# Altium PCB walktimizer_v2.PcbDoc
Units mil, origin at the board's own origin, x right, y up, seen from the top; angles counter-clockwise.
Board outline 2594 x 1316 mil, 4 copper layers (Top Layer, GND, VREG, Bottom Layer), stack 62.45 mil thick; 51 components, 38 nets, 217 pads, 79 vias.
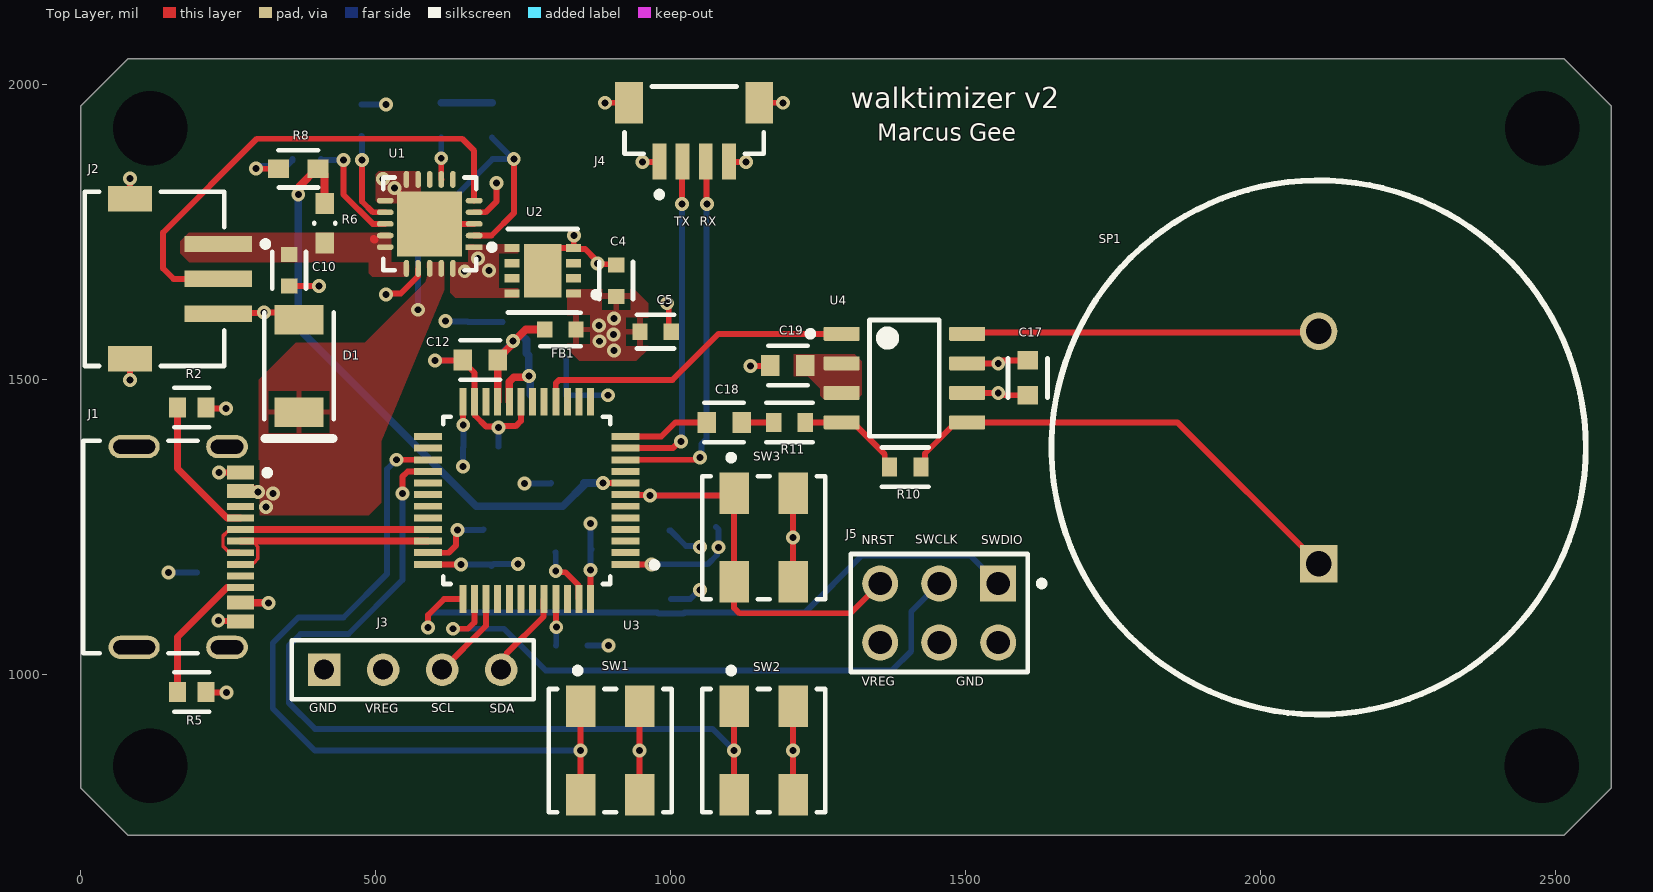
[diagram p0: Top Layer view]
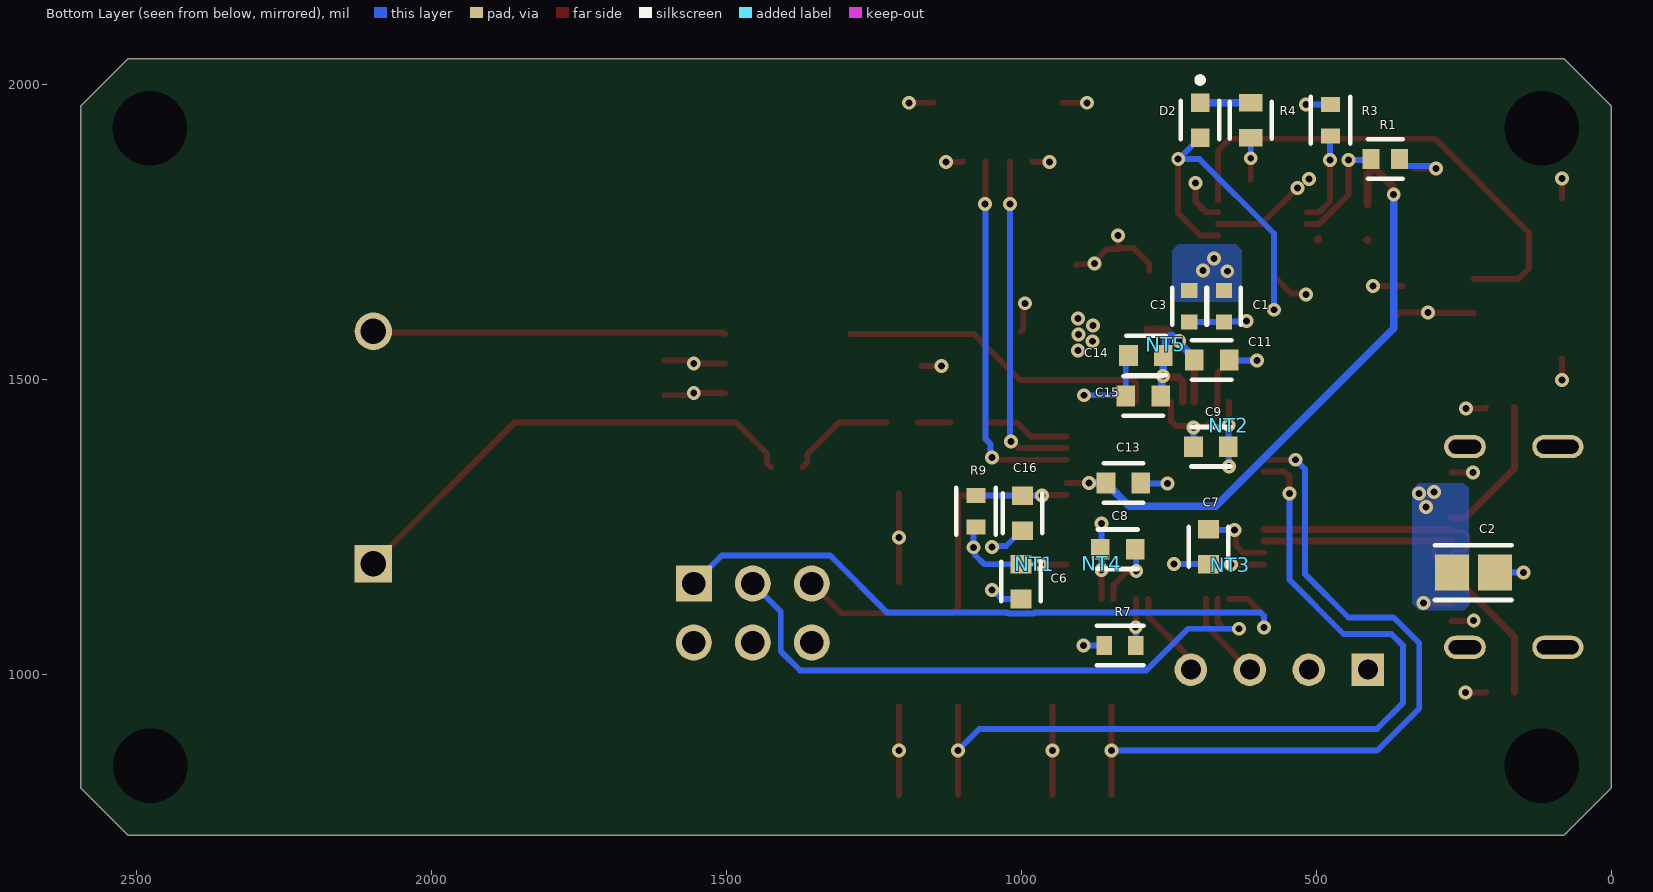
[diagram p1: Bottom Layer view, seen from below]
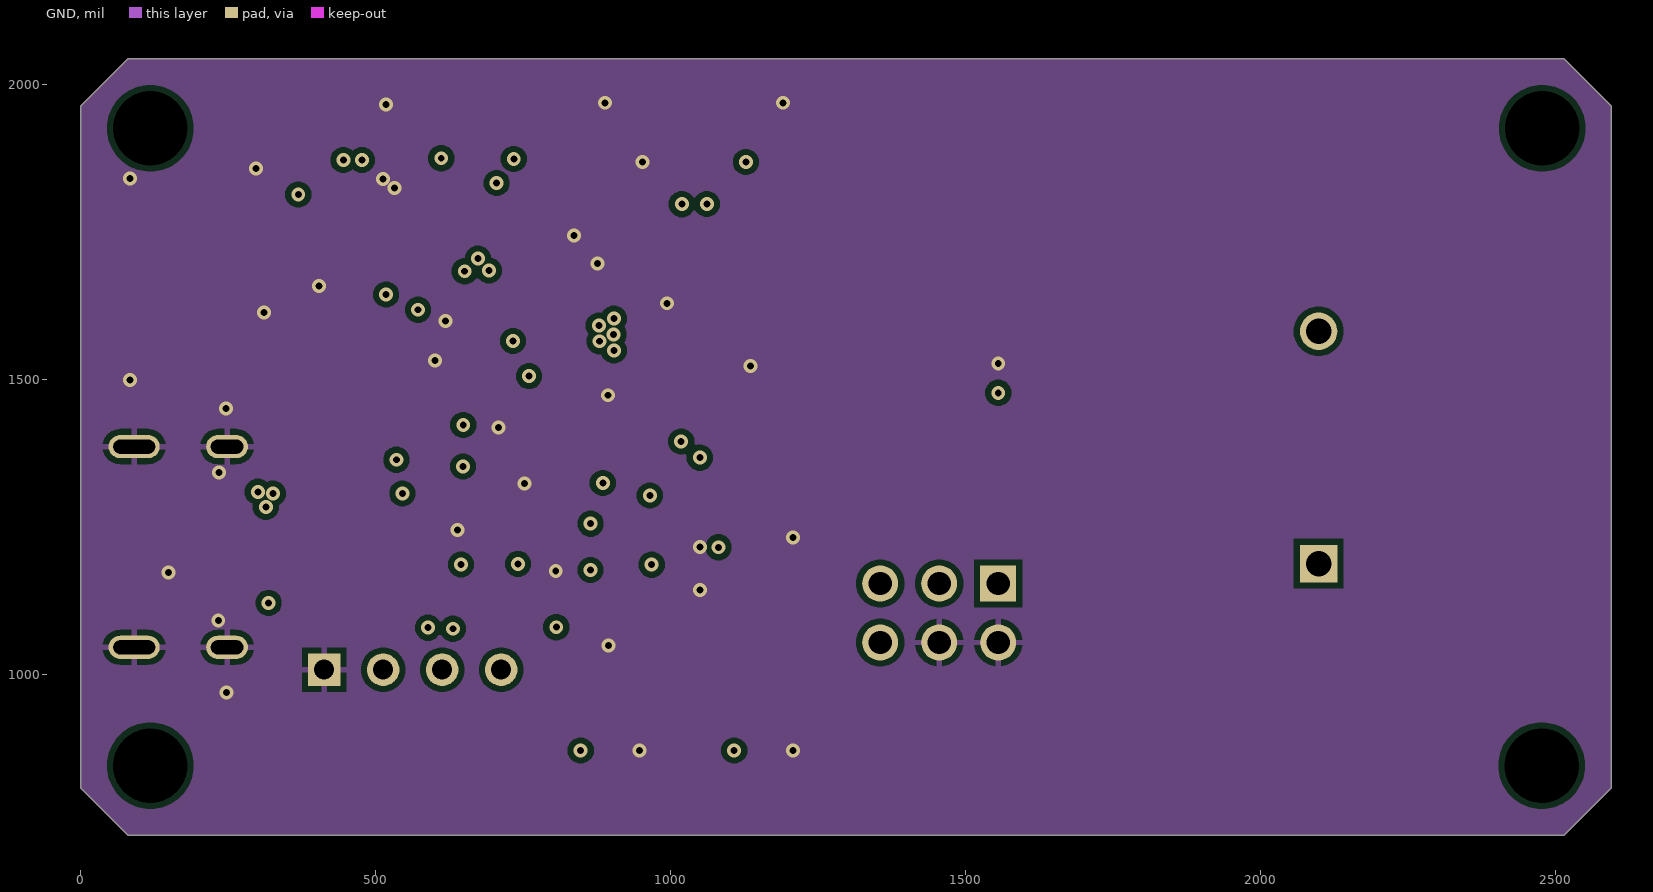
[diagram p2: GND]
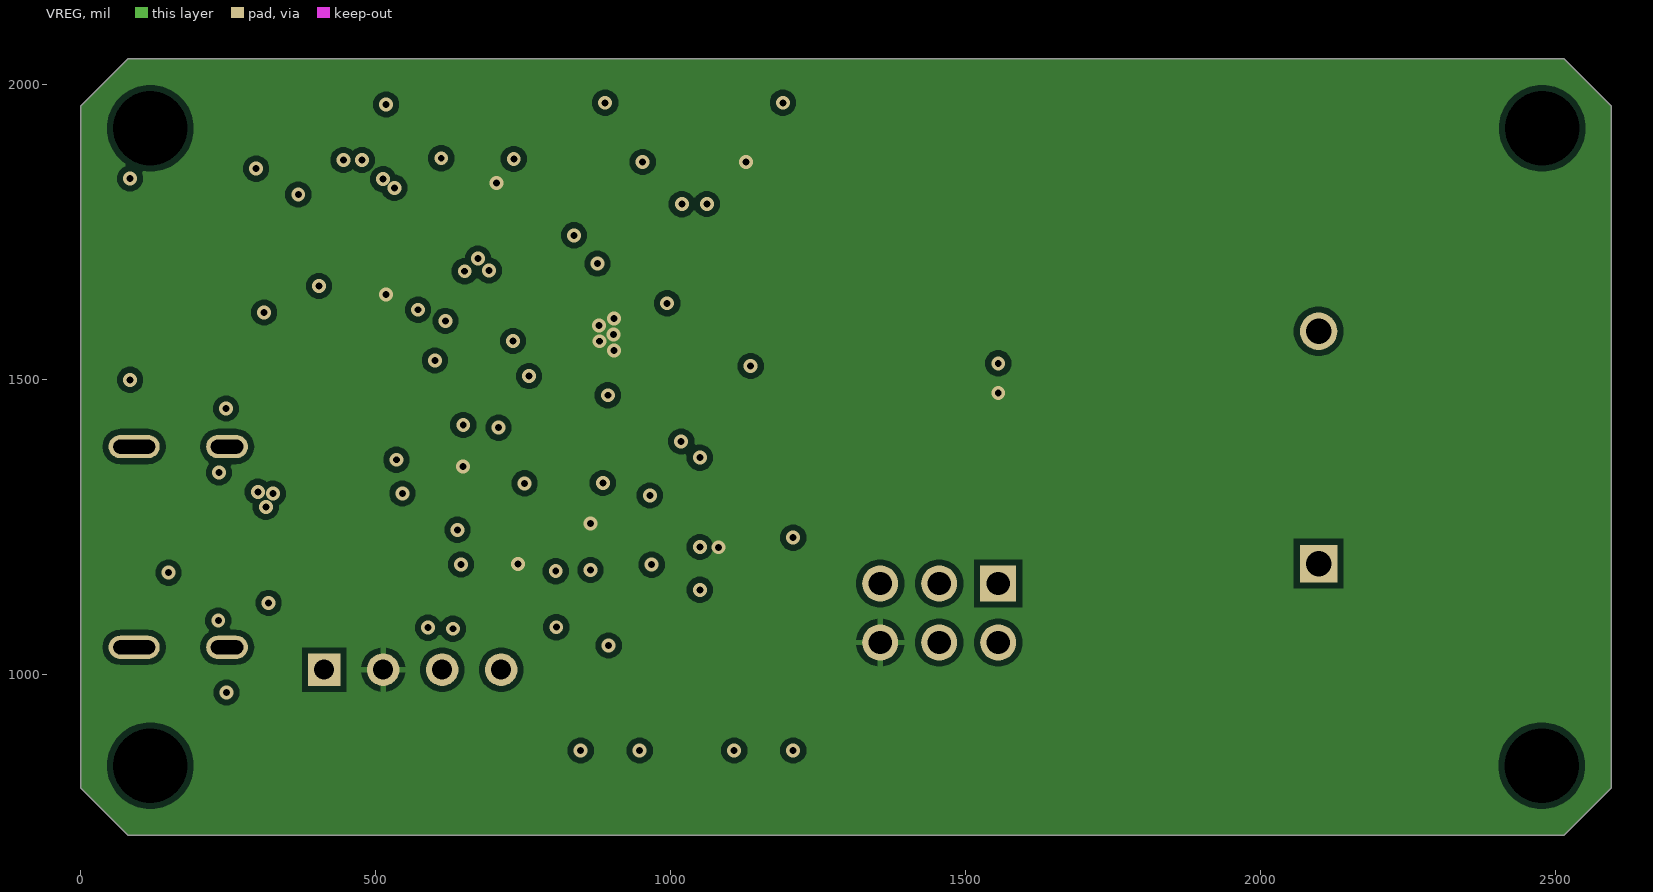
[diagram p3: VREG]
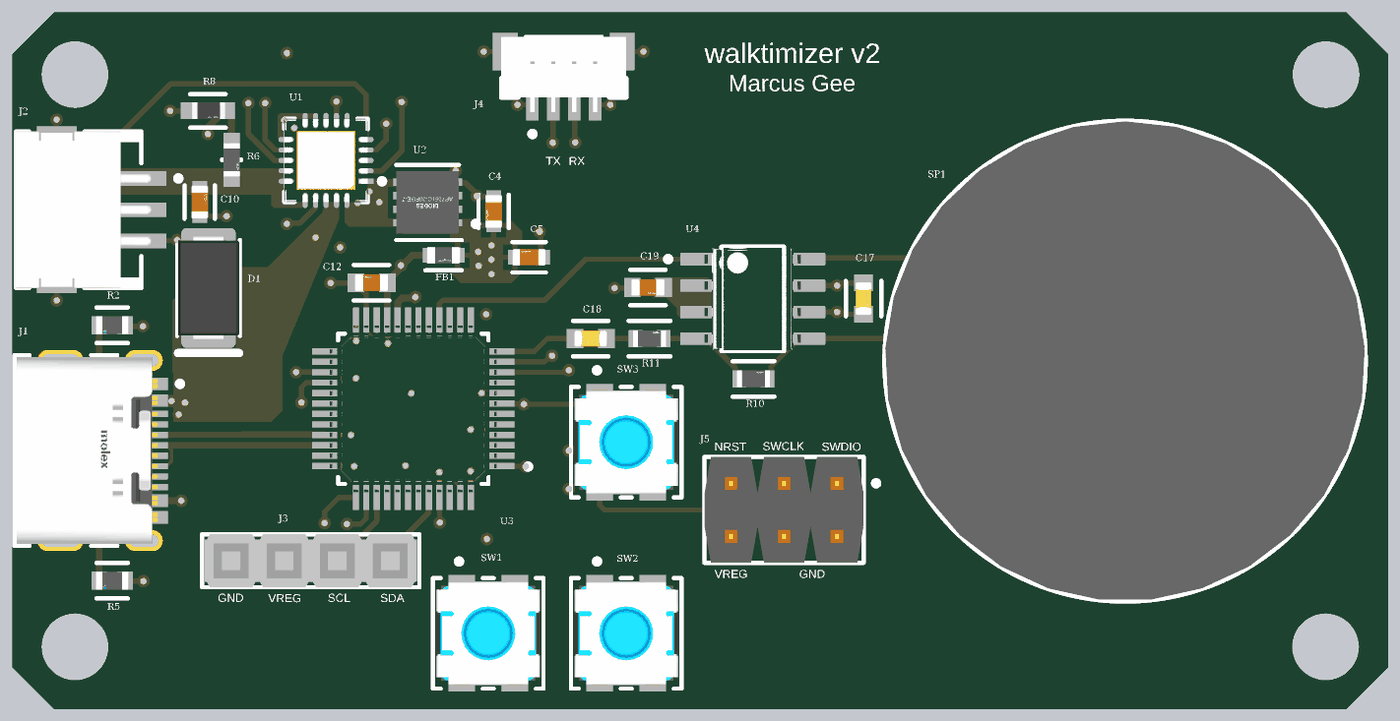
[diagram p4: 3D render of the assembled board from above, using the file's embedded part models]
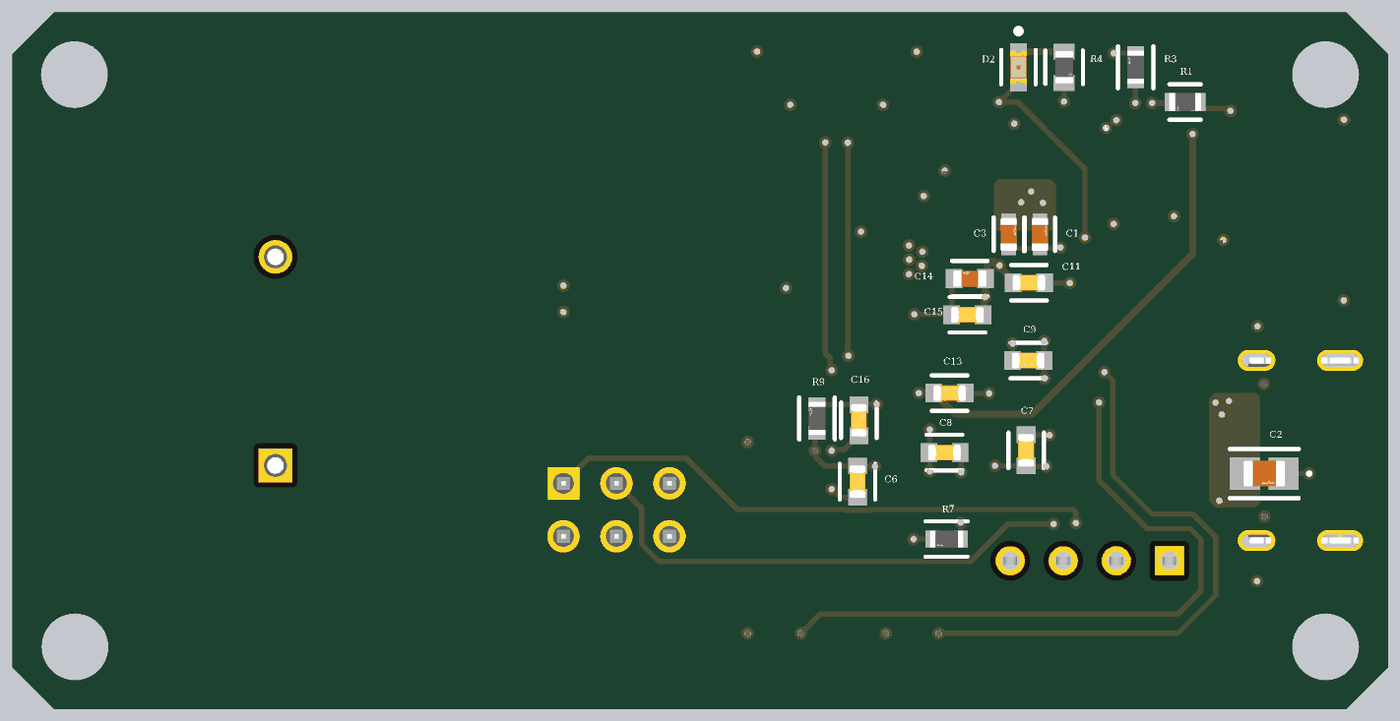
[diagram p5: 3D render of the assembled board from below, using the file's embedded part models]

## Layer stack, top to bottom
Top Solder: solder mask 0.5, Solder Resist, Dk 3.8
Top Layer: signal copper 1.38
Dielectric 1: prepreg 8.28, PP-023, Dk 4.5
GND: signal copper 0.6
Core: core 41.93, FR-4, Dk 4.5
VREG: signal copper 0.6
Dielectric 2: prepreg 8.28, PP-023, Dk 4.5
Bottom Layer: signal copper 1.38
Bottom Solder: solder mask 0.5, Solder Resist, Dk 3.8

## Board outline
80,727 2514,727 2594,807 2594,1962.98 2513.98,2043 80,2043 0,1963 0,807

## Design rules (kind name [scope] priority, off if disabled: settings)
Clearance Clearance_4 [InComponent('NT*') OR (InNet('VDD*') AND IsTrack) OR (InNet('VDD*') AND IsVIA) vs Not ((InNet('VREG') AND OnLayer('VREG')) or (InNet('GND') AND OnLayer('GND')))] p1: gap=0 ignorepadtopadclearanceinfootprint=FALSE
Clearance Clearance_2 [InNet('VREG') vs InNet('VDD1') Or InNet('VDD2') Or InNet('VDD3') Or InNet('VDD4') Or InNet('VDDA')] p2: gap=10 ignorepadtopadclearanceinfootprint=TRUE
Clearance Clearance_3 [InNet('VREF') vs InNet('VDDA')] p3: gap=0 ignorepadtopadclearanceinfootprint=FALSE
Clearance Clearance_1 [InComponent('NT*')] p4: gap=0 ignorepadtopadclearanceinfootprint=FALSE
Clearance [All] p5: gap=10 ignorepadtopadclearanceinfootprint=FALSE except(4: Arc-Arc Arc-Track Arc-SMDPad Track-Track Track-SMDPad; 5.91: SMDPad-SMDPad; 8: Arc-Via Track-Via SMDPad-Via THPad-Via Via-Via; 12: Arc-THPad Track-THPad SMDPad-THPad THPad-THPad) // JLC 1 oz
ComponentClearance ComponentClearance_1 [InComponent('NT*')] p1: gap=0 collisioncheckmode=3 verticalgap=0 showdistances=FALSE
ComponentClearance [All] p2: gap=5 collisioncheckmode=3 verticalgap=5 showdistances=FALSE
DiffPairsRouting [All] p1: maxlimit=10 minlimit=5 mostfreqgap=10 toplayer_prefgap=8 toplayer_minwidth=5.85 toplayer_maxwidth=20 toplayer_prefwidth=11.91 impedanceprofiledriven=TRUE impedanceprofileid={92976344-32BA-47F4-A72F-5C20CB57E6BC} impedanceprofilevalue=90.000000 maxuncoupledlength=492.13
FabricationTestpoint [All] p1: side=3 testpointundercomponent=TRUE minsize=100 maxsize=100 preferedsize=60 minholesize=0 maxholesize=40 preferedholesize=32 testpointgrid=1 allowsidetop=TRUE allowsidebottom=TRUE usegrid=TRUE gridoriginx=0 gridoriginy=-4427 gridtolerance=0.01
HoleSize [All] p1: absolutevalues=TRUE maxlimit=300 minlimit=10 maxpercent=80.000 minpercent=20.000
MinimumAnnularRing [All] p1: minimumring=5.8
MinimumSolderMaskSliver [All] p1: minsoldermaskwidth=5
PasteMaskExpansion [All] p1: expansion=10
PlaneClearance [All] p1: clearance=10
PlaneConnect [All] p1: pad.planeconnectstyle=Relief pad.reliefexpansion=20 pad.reliefentries=4 pad.reliefconductorwidth=10 pad.reliefairgap=10 via.planeconnectstyle=Direct via.reliefexpansion=20 via.reliefentries=4 via.reliefconductorwidth=10 via.reliefairgap=10
PolygonConnect PolygonConnect_NetTie [InNet('VDD4') vs InNet('VREG')] p1: connectstyle=NoConnect reliefconductorwidth=10 reliefentries=4 polygonreliefangle="90 Angle" airgapwidth=10
PolygonConnect [All] p2: thpad.connectstyle=Relief thpad.reliefconductorwidth=10 thpad.reliefentries=4 thpad.polygonreliefangle="90 Angle" thpad.airgapwidth=10 smdpad.connectstyle=Direct smdpad.reliefconductorwidth=10 smdpad.reliefentries=4 smdpad.polygonreliefangle="90 Angle" smdpad.airgapwidth=10 via.connectstyle=Direct via.reliefconductorwidth=10 via.reliefentries=4 via.polygonreliefangle="90 Angle" via.airgapwidth=10
RoutingVias [All] p1: holewidth=10 width=20 viastyle="Through Hole" minholewidth=5.91 minwidth=9.84 maxholewidth=20 maxwidth=30
SMDNeckDown SMDNeckDown_NetTie [InNet('VDD2') or InComponent('NT1') or InComponent('NT2') or InComponent('NT3') or InComponent('NT4') or InComponent('NT5') or InNet('VDD3') or InNet('VDD4') or InNet('VDD1') or InNet('VDD5') or InNet('VREF') or InNet('VREG') or InNet('VDDA') or IsVia] p1: percent=500.000
SMDNeckDown [All] p2: percent=125.000
ShortCircuit ShortCircuit_NetTie [InComponent('NT1') or InComponent('NT2') or InComponent('NT3') or InComponent('NT4') or InComponent('NT5') or InNet('VDD2') or InNet('VDD3') or InNet('VDD4') or InNet('VDD1') or InNet('VDD5') or InNet('VREF')] p1: allowed=TRUE
ShortCircuit [All] p2: allowed=FALSE
SilkToSilkClearance [All] p1: silktosilkclearance=5
SilkToSolderMaskClearance SilkscreenOverComponentPads [IsPad] p1: minsilkscreentomaskgap=5 clearancetoexposedcopper=TRUE
SolderMaskExpansion [All] p1: expansion=10 istentingtop=FALSE
SupplyNets "Schematic Supply Nets_2" [InNet('VREG')] p1: voltage=0.000
SupplyNets "Schematic Supply Nets" [InNet('GND')] p2: voltage=0.000
Width [All] p1: maxlimit=50 minlimit=4 preferedwidth=10
19 further rules are at their usual default settings.

## Classes and differential pairs
differential pair USB: +USB_P -USB_N

## Components (designator, comment, footprint, x,y, rotation, side; value= is the part's Value field where it differs from the comment)
C1 "4.7 uF" FP-GRM188-0_1-MFG 656.46,1623.66 r90 bottom
C2 "10 uF" FP-GRM21B-0_2-e0_2_0_7-IPC_A 233.6,1172 r180 bottom
C3 "4.7 uF" FP-GRM188-0_1-MFG 715.22,1623.66 r90 bottom
C4 "4.7 uF" FP-GRM188-0_1-MFG 907.5,1666.96 r270 top
C5 "4.7 uF" FP-GRM188-0_1-MFG 974.2,1580.37 r180 top
C6 "0.1 uF" FP-CC0603-DA-MFG 1000.32,1156.85 r90 bottom value="100 nF"
C7 "0.1 uF" FP-CC0603-DA-MFG 682.51,1216.01 r270 bottom value="100 nF"
C8 "0.1 uF" FP-CC0603-DA-MFG 836.45,1211.62 r0 bottom value="100 nF"
C9 "0.1 uF" FP-CC0603-DA-MFG 678.48,1385.37 r180 bottom value="100 nF"
C10 "4.7 uF" FP-GRM188-0_1-MFG 353.33,1684.47 r90 top
C11 "10 nF" FP-CC0603-DA-MFG 677.2,1532.21 r180 bottom
C12 "1.0 uF" FP-CC0603-DB-MFG 677.2,1532.21 r0 top
C13 "0.1 uF" FP-CC0603-DA-MFG 826.76,1323.92 r0 bottom value="100 nF"
C14 "1.0 uF" FP-CC0603-DB-MFG 788.64,1539.99 r180 bottom
C15 "0.1 uF" FP-CC0603-DA-MFG 793.29,1471.65 r180 bottom value="100 nF"
C16 "0.1 uF" FP-CC0603-DA-MFG 997.92,1272.76 r90 bottom value="100 nF"
C17 "0.1 uF" FP-CC0603-DA-MFG 1605.02,1502.2 r90 top value="100 nF"
C18 "0.33 uF" FP-CC0603-DA-MFG 1090.44,1426.77 r0 top value="330 nF"
C19 "1.0 uF" FP-CC0603-DB-MFG 1198.44,1523.29 r180 top
D1 "SMAJ5.0A" BOUR-SMA-2_V 369.84,1522.36 r270 top
D2 "LTST-C190KRKT" FP-LTST-C190KRKT-MFG 696.89,1938.87 r270 bottom
FB1 "BLM18AG601SN1D" FP-BLM18-0_15-t0_8-MFG 813.07,1584.12 r0 top
J1 "217179-0001" FP-2171790001-MFG 135.83,1215.56 r270 top
J2 "S3B-ZR-SM4A-TF(LF)(SN)" FP-S3B-ZR-SM4A-TF_LF_SN-MFG 125,1670 r90 top
J3 "SLW-104-01-F-S" SMTC-SLW-104-01-X-S 412.56,1007.51 r0 top
J4 "BM04B-SRSS-TBT(LF)(SN)" FP-BM04B-SRSS-TBT_LF_SN-MFG 1039.63,1938.87 r0 top
J5 "90131-0763" FP-90131-0763-MFG 1455.02,1103.62 r180 top
NT1 "NT" NETTIE_SMD 977.69,1186.25 r180 bottom net-tie
NT2 "NT" NETTIE_SMD 648.4,1421.3 r90 bottom net-tie
NT3 "NT" NETTIE_SMD 646.54,1185.74 r180 bottom net-tie
NT4 "NT" NETTIE_SMD 863.95,1187.9 r270 bottom net-tie
NT5 "NT" NETTIE_SMD 755.46,1559.12 r270 bottom net-tie
R1 "5.1 kΩ" FP-CRCW0603-e3-IPC_C 382.86,1873.39 r0 bottom
R2 "5.1 kΩ" FP-CRCW0603-e3-IPC_C 188.19,1451.97 r180 top
R3 "10 kΩ" FP-RC0603-0_55-IPC_C 476.05,1938.87 r90 bottom
R4 "470Ω" FP-CRCW0603-e3-MFG 610.97,1938.87 r270 bottom
R5 "5.1 kΩ" FP-CRCW0603-e3-IPC_C 188.19,969.95 r180 top
R6 "100 kΩ" FP-RC0603-0_55-MFG 413.37,1764.08 r270 top
R7 "10 kΩ" FP-RC0603-0_55-IPC_C 832.4,1048.4 r0 bottom
R8 "240 kΩ" FP-RT0603-MFG 368.67,1856.65 r0 top value=240KΩ
R9 "10 kΩ" FP-RC0603-0_55-IPC_C 1076.89,1276.1 r90 bottom
R10 "20 kΩ" FP-RC0603-0_55-IPC_C 1397.33,1350.77 r0 top
R11 "20 kΩ" FP-RC0603-0_55-IPC_C 1201.33,1426.77 r0 top
SP1 "GSPK2307P-8R1W" GSPK2307P-8R1W-Footprint-1 2098,1384.24 r90 top
SW1 "7914J-1-032" FP-7914J-1-032-MFG 897.27,870.49 r0 top
SW2 "7914J-1-032" FP-7914J-1-032-MFG 1157.46,870.49 r0 top
SW3 "7914J-1-032" FP-7914J-1-032-MFG 1157.46,1231.31 r0 top
U1 "MCP73871T-2CCI/ML" FP-C04-126-IPC_C 591.41,1763.09 r180 top
U2 "AP7361C-33FGE-7" FP-U-DFN3030-8_Type_E-MFG 783,1683.7 r180 top
U3 "STM32G431CBT6" FP-LQFP48-5B-MFG 755.89,1294.39 r180 top
U4 "LM4861MX/NOPB" FP-D0008A-MFG 1395.97,1501.77 r0 top
